# KiCad board for_real_486_2.kicad_pcb (continued)
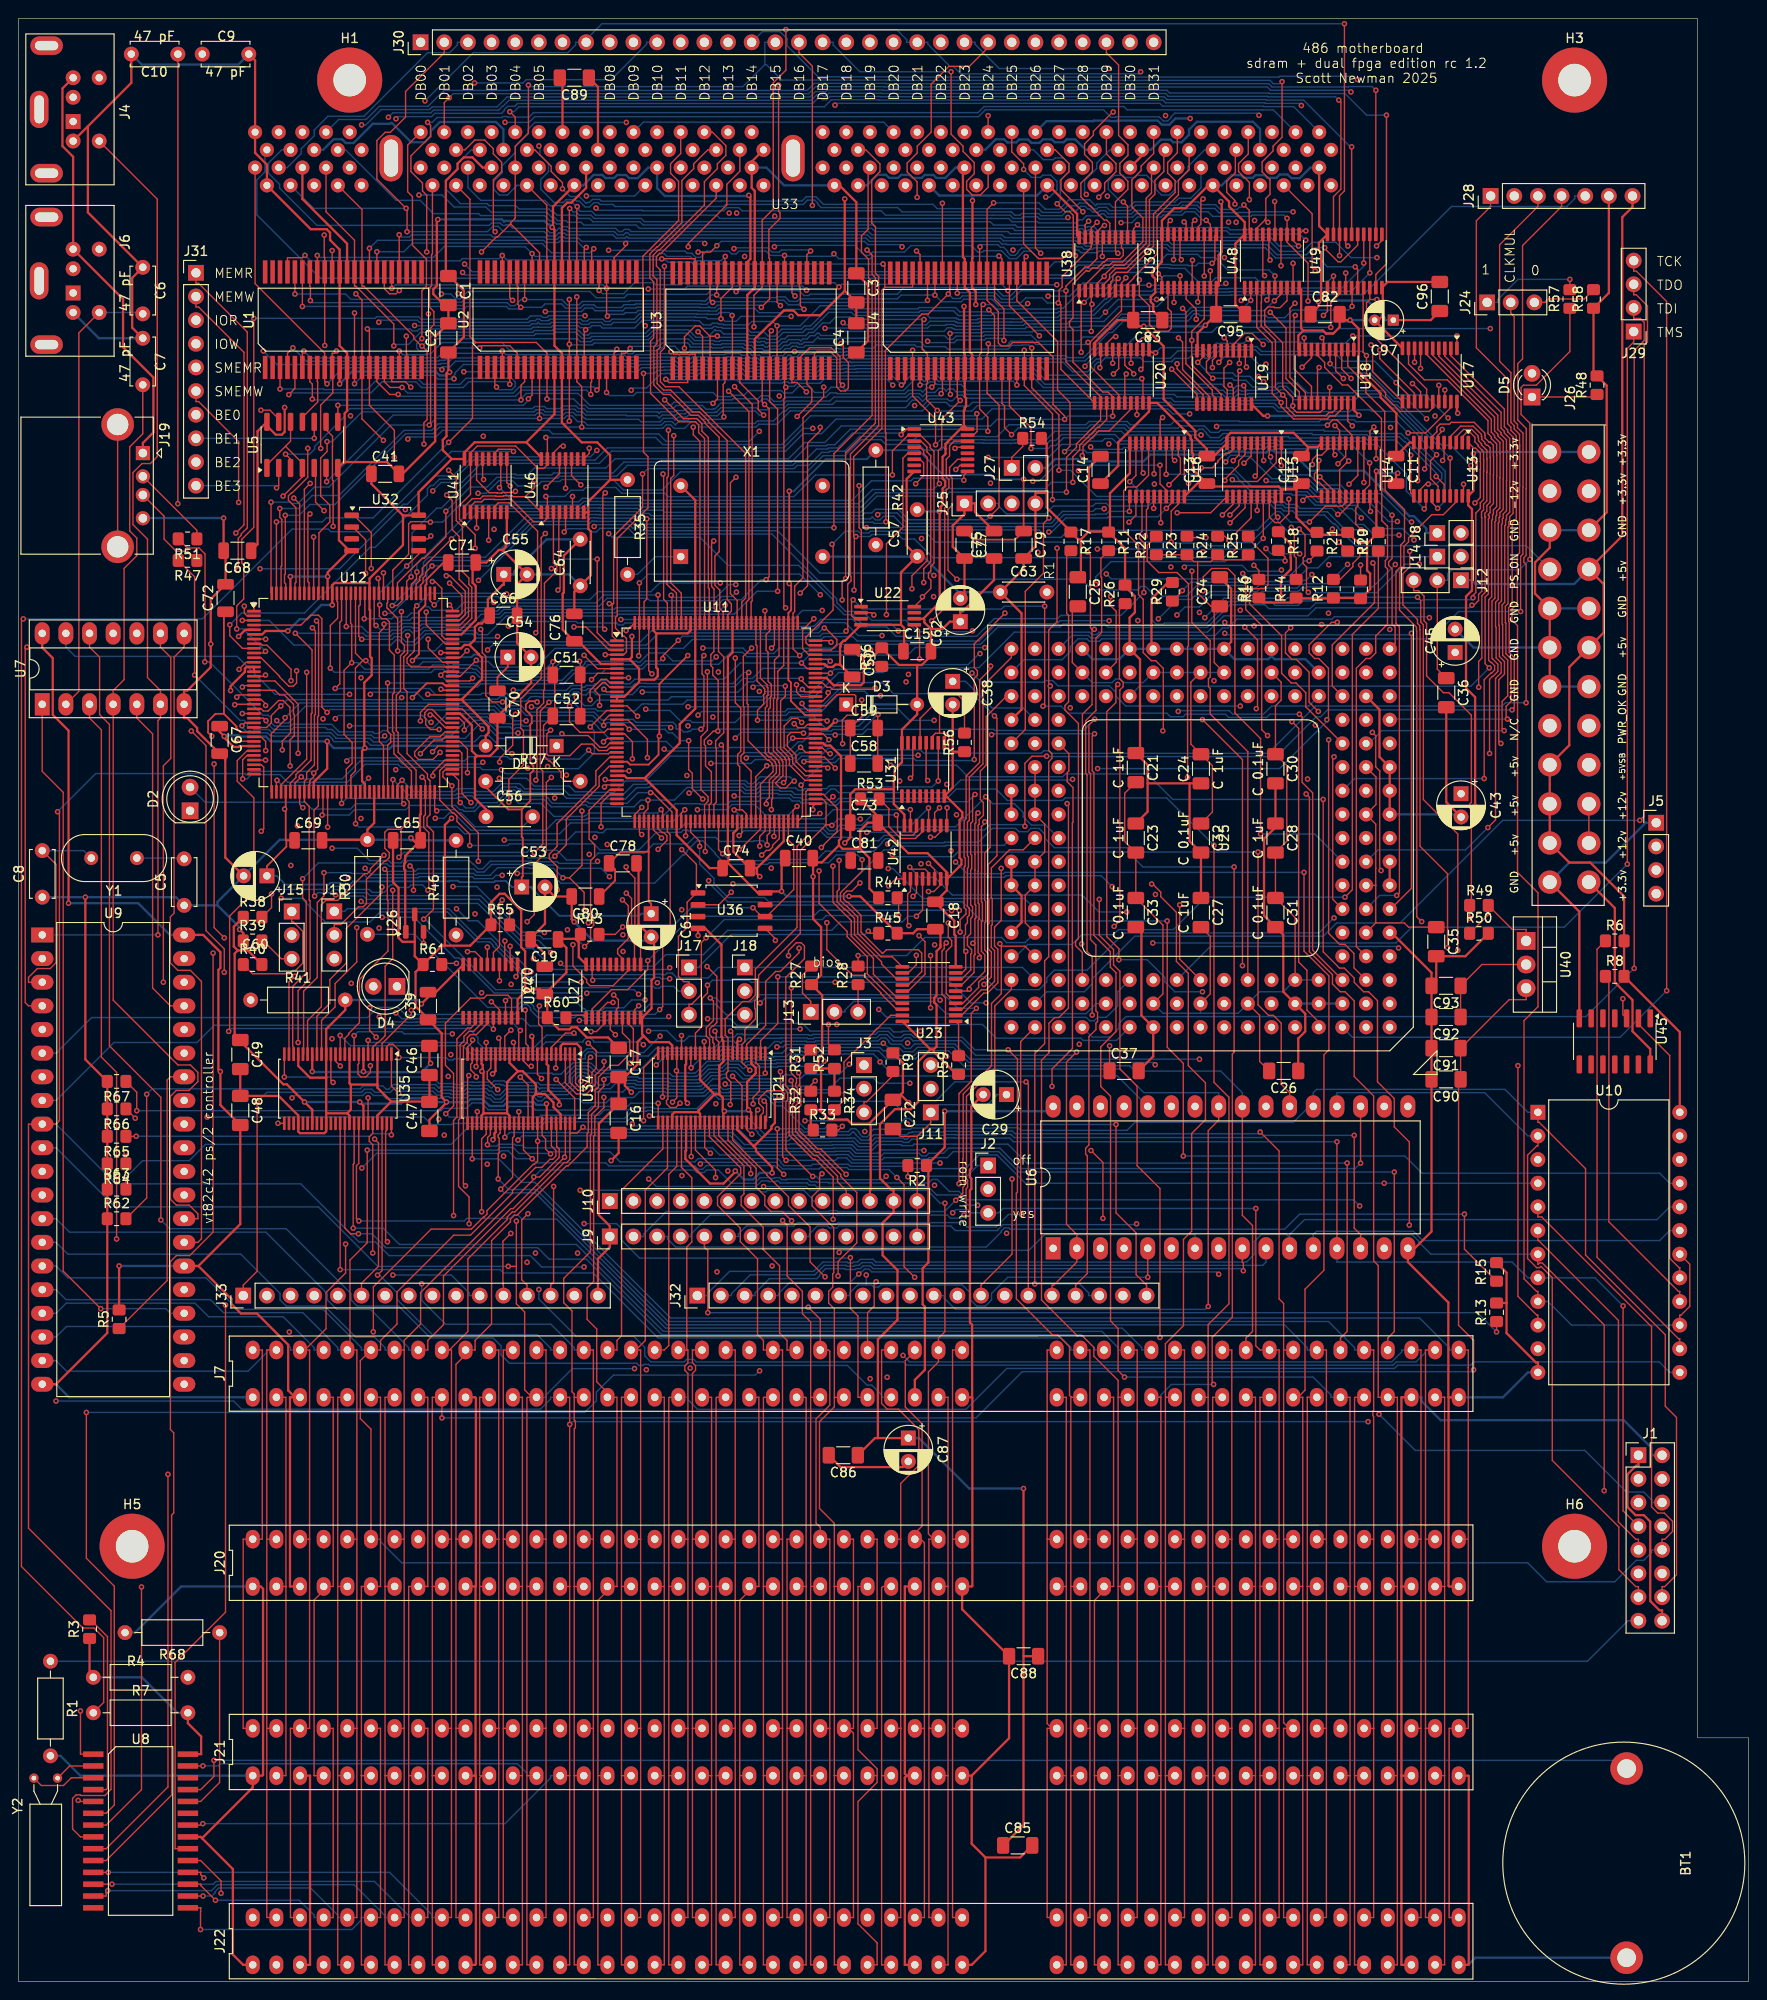
[diagram p0: board, top side]
## Routing (per net, layer and track width the routed paths; a pad name or vN(x,y) marks a point on that pad's centre or on a via; arc(x,y) is an arc through that point) (continued)
AB07: length 327.9
  Top w0.15: v1(87.49,81.84) 87.49,86.39 85.53,88.35 85.31,88.35 82.77,90.89 82.77,94.37 82.96,94.56 82.96,95.62 82.4,96.19 82.4,97.46 82.41,97.47 82.41,107.85 84.41,109.84 84.41,111.21 84.06,111.56 83.53,111.56 82.7,110.72 v1(82.7,110.17) ; v1(73.95,109) 75,107.96 75,102.99 74.64,102.63 74.55,102.63 74.22,102.3 74.22,101.68 74.57,101.33 74.57,100.85 74.7,100.73 U21.12 ; U1.17 39.28,171.83 39.9,171.21 v1(41.18,171.21) ; v1(83.96,149.11) 84.74,149.9 84.74,165.21 86.11,166.57 v1(86.11,166.92) ; v1(108.74,164.65) 108.74,166.88 106.42,169.2 U4.17 ; v1(84.11,135.22) 83.67,135.66 83.05,135.66 82.22,134.84 82.22,132.51 83.05,131.69 83.05,131.55 83.15,131.44 83.15,130.85 84.49,129.5 U11.79 ; U2.17 62.36,171.17 v1(62.11,170.93) ; U3.17 83.07,171.73 83.62,171.73 v1(84.62,170.73) ; v1(149.53,163.94) 149.53,159.89 U13.11 ; 121.29,78.74 v1(121.29,75.63)
  In1.Cu w0.15: v1(79.56,138.56) 80.78,138.56 v1(84.11,135.22) ; v1(73.95,109) 74.99,110.05 76.56,110.05 76.9,110.39 82.48,110.39 v1(82.7,110.17) ; v1(62.11,170.93) 62.11,170.8 62.84,170.07 68.28,170.07 69.01,170.8 74.95,170.8 75.33,170.42 75.33,170.42 75.87,169.87 76.87,169.87 78.79,171.8 83.55,171.8 v1(84.62,170.73) 86.11,169.24 v1(86.11,166.92) 102.83,166.92 105.1,164.65 v1(108.74,164.65)
  In2.Cu w0.15: v1(91.05,75.88) 90.53,75.36 90.03,75.36 87.49,77.89 v1(87.49,81.84) ; v1(79.56,138.56) 80.04,138.09 80.04,131.71 80.93,130.81 80.93,130.14 79.38,128.58 79.38,125.47 80.85,124 80.98,124 81.96,123.02 81.96,121.9 82.7,121.16 v1(82.7,110.17) ; v1(84.11,135.22) 81.83,137.5 81.83,138.82 81.78,138.88 81.78,139.36 81.99,139.57 81.99,141.41 82.15,141.58 82.15,145.96 81.8,146.31 81.8,147.78 82.34,148.32 83.16,148.32 v1(83.96,149.11)
  Bottom w0.15: 91.05,74.81 v1(91.05,75.88) ; 91.05,74.81 90.13,74.81 89.26,73.94 89.26,73.66 J32.7 ; 91.05,74.81 91.64,74.81 91.87,74.57 92.35,74.57 92.59,74.81 101.36,74.81 102.25,73.92 102.25,73.19 102.91,72.53 103.84,72.53 104.5,73.19 104.5,73.89 106.24,75.63 v1(121.29,75.63) ; v1(149.53,163.94) 147.91,165.55 144.91,165.55 144.69,165.78 136.5,165.78 136.38,165.9 133.65,165.9 133.57,165.82 129.43,165.82 129.08,165.47 118.44,165.47 117.76,166.14 115.75,166.14 115.4,165.79 112.23,165.79 111.4,164.97 110.91,164.97 110.59,164.65 v1(108.74,164.65) ; v1(41.18,171.21) 41.78,170.61 53.12,170.61 53.78,171.26 61.78,171.26 v1(62.11,170.93)
AB08: length 319.2
  Top w0.15: v1(88.5,171.45) 88.23,171.73 88.23,174.53 87.27,175.48 84.98,175.48 83.87,174.37 U3.18 ; v1(107.23,171.47) 107.23,173.22 ; U11.80 84.54,130 83.5,131.04 83.5,131.73 82.58,132.65 82.58,133.3 82.58,133.78 82.95,134.15 84.23,134.15 v1(84.31,134.07) ; v1(102.87,104.52) 102.32,103.97 102.32,96.67 101.01,95.36 v1(101.01,85.67) ; v1(74.29,105.63) 74.63,105.29 74.63,103.21 73.86,102.44 73.86,101.54 73.88,101.52 74.22,101.18 74.22,99.72 U21.13 ; v1(145.11,163.11) 145.11,160.73 144.5,160.12 U14.18 ; U2.18 63.16,170.66 v1(63.15,170.66) ; v1(42.12,171.23) 41.52,171.83 40.08,171.83 U1.18
  In1.Cu w0.15: J32.8 91.8,73.66 91.8,73.94 95.65,77.79 96.46,77.79 100.91,82.24 100.91,82.74 102.11,83.94 ; 102.11,83.94 115.26,83.94 123.83,92.5 123.83,93.98 ; 102.11,83.94 102.11,84.57 v1(101.01,85.67) ; v1(115.14,164.82) 113.87,164.82 v1(107.23,171.47) ; v1(42.12,171.23) 42.68,170.67 59.93,170.67 60.76,171.51 62.43,171.51 63.15,170.78 v1(63.15,170.66)
  In2.Cu w0.15: v1(88.5,171.45) 88.5,154.66 87.61,153.77 87.15,153.77 86.81,154.11 85.91,154.11 85.28,153.48 85.28,148.41 84.84,147.97 84.84,134.6 v1(84.31,134.07) ; v1(76.98,133.54) 76.98,131.46 77.97,130.47 77.97,121.13 75.05,118.21 75.05,117.85 74.92,117.73 74.92,106.26 v1(74.29,105.63)
  Bottom w0.15: 88.5,171.23 87.28,171.23 86.71,170.66 85.5,170.66 84.86,171.31 83.78,171.31 83.08,170.61 82.19,170.61 81.94,170.87 78.42,170.87 77.92,170.37 76.64,170.37 76.5,170.22 75.04,170.22 74.6,170.66 66.37,170.66 66.04,170.33 63.48,170.33 v1(63.15,170.66) ; 88.5,171.23 v1(88.5,171.45) ; 88.5,171.23 88.86,170.88 95.05,170.88 96.22,172.05 97.06,172.05 97.24,171.88 97.42,171.88 97.71,172.17 98.48,172.17 98.78,171.88 106.82,171.88 v1(107.23,171.47) ; v1(145.11,163.11) 143.19,165.03 135.25,165.03 135.09,165.2 133.95,165.2 133.78,165.03 133.42,165.03 133.33,165.12 129.75,165.12 129.39,164.75 118.74,164.75 118.54,164.56 115.41,164.56 v1(115.14,164.82) ; v1(74.29,105.63) 74.88,105.63 75.31,105.2 78.75,105.2 79.52,105.98 99.43,105.98 100.89,104.52 v1(102.87,104.52) ; v1(84.31,134.07) 84.23,134.15 77.59,134.15 v1(76.98,133.54)
AB09: length 337.7
  Top w0.15: U1.19 v1(40.88,175.11) ; v1(101.13,112.71) 101.13,114.03 101.76,114.66 101.76,115.13 101.56,115.33 101.56,119.69 101.67,119.8 101.67,120.65 101.56,120.76 101.56,124.67 101.77,124.88 101.77,129.46 103.23,130.92 103.23,139.78 104.4,140.96 v1(104.4,141.28) ; v1(111.05,159.15) 111.05,168.38 108.02,171.41 U4.19 v1(108.02,175.2) ; U14.17 143.85,158.48 143.63,158.26 143.63,156.51 v1(144.22,155.92) ; v1(73.64,100.94) 73.64,99.75 U21.14 ; v1(86.91,130.33) 86.73,130.5 U11.81 ; v1(83.63,168.09) 85.2,169.66 85.2,171.05 84.67,171.58 U3.19 ; v1(64.26,175.31) 64.26,175.19 63.95,174.88 U2.19
  In1.Cu w0.15: v1(111.05,159.15) 111.05,158.64 109.48,157.06 v1(109.48,153.5) ; J32.9 94.34,73.66 94.34,74.55 100.73,80.93 114.63,80.93 126.2,92.5 126.36,92.5 U6.26 126.36,95.46 125.09,95.46 v1(122.08,98.46) ; v1(73.64,100.94) 73.64,101.73 74.56,102.64 79.18,102.64 v1(81.45,100.37) ; v1(104.4,141.28) 104.24,141.11 98.92,141.11 91.64,133.83 88.59,133.83 88,133.24 87.75,133.24 86.6,132.1 86.6,130.63 v1(86.91,130.33)
  In2.Cu w0.15: v1(101.13,112.71) 101.13,111.84 99.24,109.95 99.24,109.43 93.06,103.25 93.06,100.94 v1(92.89,100.76) ; v1(83.63,168.09) 83.63,174.78 v1(83.34,175.06) ; v1(109.48,153.5) 108.66,152.68 108.66,146.73 104.4,142.47 v1(104.4,141.28)
  Bottom w0.15: v1(108.02,175.2) 107.8,174.97 99.66,174.97 99.65,174.98 97.51,174.98 96.92,175.57 96.46,175.57 96.26,175.77 92.14,175.77 91.77,175.41 88.65,175.41 88.58,175.34 88.1,175.34 88.04,175.41 87.85,175.41 87.73,175.29 84.91,175.29 84.78,175.16 83.43,175.16 v1(83.34,175.06) 83.3,175.02 82.52,175.02 82.11,174.61 81,174.61 80.88,174.49 79.76,174.49 79.58,174.67 78.77,174.67 78.42,175.02 77.78,175.02 77.61,175.19 75.81,175.19 75.72,175.09 74.37,175.09 74.28,175.19 72.11,175.19 72.1,175.17 71.76,174.84 71.28,174.84 70.94,175.17 70.49,175.63 69.29,175.63 68.93,175.27 68.59,175.27 68.47,175.15 66.26,175.15 65.93,174.82 65.45,174.82 65.19,175.08 64.4,175.08 64.26,175.22 ; 64.26,175.22 v1(64.26,175.31) ; 64.26,175.22 52.73,175.22 51.93,176.02 45.45,176.02 44.23,174.8 43.8,174.8 43.72,174.72 41.27,174.72 v1(40.88,175.11) ; v1(122.08,98.46) 121.84,98.7 102.05,98.7 100.42,100.33 96.54,100.33 96.07,99.86 95,99.86 94.55,100.31 93.38,100.31 93.02,100.66 92.89,100.66 ; 92.89,100.66 v1(92.89,100.76) ; 92.89,100.66 85.76,100.66 85.64,100.55 84.51,100.55 84.43,100.63 82.38,100.63 82.12,100.37 v1(81.45,100.37) ; v1(111.05,159.15) 131.74,159.15 131.79,159.09 134.5,159.09 135.02,158.57 135.77,158.57 136.05,158.29 137.01,158.29 137.45,157.85 140.57,157.85 142.51,155.92 v1(144.22,155.92)
AB10: length 335
  Top w0.15: v1(88.34,175.92) 88.58,175.69 88.58,174.43 89.13,173.88 89.13,171.15 88.8,170.83 88.29,170.83 87.87,171.25 87.87,174.38 87.17,175.08 85.77,175.08 85.47,174.78 U3.20 ; v1(111.74,162.3) 111.74,168.25 108.83,171.17 U4.20 108.83,175.44 v1(108.83,175.44) ; v1(84.35,131.01) 85.59,131.01 U11.82 ; v1(73.99,107) 73.99,106.16 73.43,105.6 73.43,102.58 72.7,101.85 U21.16 ; v1(65.69,175.4) 65.17,174.88 64.75,174.88 U2.20 ; v1(141.7,157.57) 141.9,157.57 143.2,158.86 U14.16 ; U1.20 41.68,174.88 41.64,174.92 v1(41.64,176.71)
  In1.Cu w0.15: v1(41.64,176.71) 41.98,177.05 60.45,177.05 60.67,176.83 64.25,176.83 v1(65.69,175.4) ; v1(111.74,162.3) 109.97,160.53 104.78,160.53 v1(104.39,160.92) ; J32.10 96.88,73.66 96.88,73.86 103.38,80.36 v1(106.12,80.36) 121.67,80.36 133.82,92.5 133.99,92.5 133.99,93.98
  In2.Cu w0.15: v1(104.39,160.92) 102.75,159.28 102.75,156.59 96.53,150.38 96.53,149.34 96.48,149.29 96.48,144.52 97.55,143.46 97.55,135.97 96.62,135.04 v1(96.62,131.7) 96.37,131.44 96.37,121.42 94.98,120.03 94.98,117.38 90.31,112.72 90.31,111.55 89.31,110.55 89.31,109.01 87.7,107.4 v1(87.7,107.32) ; v1(106.12,80.36) 106.12,88.6 104.98,89.74 104.98,104.05 v1(103.92,105.1)
  Bottom w0.15: v1(73.99,107) 74.52,107.53 78.44,107.53 78.65,107.32 v1(87.7,107.32) 100.08,107.32 102.29,105.1 v1(103.92,105.1) ; v1(96.62,131.7) 87.84,131.7 87.39,131.26 84.59,131.26 v1(84.35,131.01) ; v1(108.83,175.44) 108.49,175.77 107.79,175.77 107.74,175.73 106.69,175.73 106.29,175.32 99.8,175.32 99.54,175.59 97.4,175.59 96.86,176.13 88.55,176.13 v1(88.34,175.92) 87.87,175.92 87.65,175.71 84.52,175.71 84.32,175.51 83.71,175.51 83.58,175.64 83.1,175.64 82.84,175.37 82.37,175.37 81.96,174.96 80.85,174.96 80.73,174.84 79.91,174.84 79.72,175.02 78.92,175.02 78.57,175.38 77.92,175.38 77.76,175.54 75.67,175.54 75.58,175.45 74.52,175.45 74.42,175.54 72.18,175.54 72.1,175.63 72.1,175.75 71.86,175.99 69.15,175.99 68.88,175.71 68.7,175.71 68.61,175.62 65.91,175.62 v1(65.69,175.4) ; v1(111.74,162.3) 112.99,162.3 115.8,159.5 131.88,159.5 131.94,159.44 134.74,159.44 135.26,158.92 135.91,158.92 136.2,158.64 137.23,158.64 137.66,158.21 141.06,158.21 v1(141.7,157.57)
AB11: length 388.3
  Top w0.15: v1(87.71,130.31) 87.71,130.34 86.55,131.5 U11.83 ; v1(65.2,186.67) 65.2,186.38 63.95,185.14 63.95,183.62 ; U3.26 84.67,185.47 v1(85.07,185.86) ; U21.17 72.2,98.16 v1(72.24,98.12) ; v1(91.13,185.96) 91.68,185.42 91.68,183.34 92.03,182.99 92.03,167.38 88.83,164.19 v1(88.83,150.67) 88.46,150.29 v1(88.46,148.37) ; 40.88,183.62 v1(40.88,187.61) ; v1(127.78,72.49) 127.78,91.38 128.9,92.5 U6.25 ; v1(108.22,185.25) 108.02,185.06 U4.26 ; U14.15 142.55,158.84 142.17,158.46 140.36,158.46 v1(138.66,156.75)
  In1.Cu w0.15: v1(73.69,186.67) 74.32,187.3 75.46,187.3 76.64,186.12 v1(76.84,186.12) ; 91.13,186.14 v1(91.13,185.96) ; 91.13,186.14 85.34,186.14 v1(85.07,185.86) ; 91.13,186.14 91.13,186.32 91.76,186.95 101.82,186.95 103.03,185.74 103.51,185.74 103.86,186.09 105.87,186.09 106.7,185.25 v1(108.22,185.25) ; v1(75.16,140.64) 77.18,140.64 78.47,141.93 79.27,141.93 80.3,142.96 80.3,143.45 80.67,143.82 81.58,143.82 85.93,148.18 86.34,148.18 v1(88.83,150.67)
  In2.Cu w0.15: v1(72.24,98.12) 72.24,100.36 73.34,101.46 73.34,105.54 74.57,106.76 74.57,117.87 74.69,118 74.69,119.13 74.92,119.36 74.92,121.61 77.44,124.13 77.44,130.42 76.06,131.8 76.06,139.75 v1(75.16,140.64) ; v1(87.71,130.31) 87.71,130.34 85.97,132.08 85.97,145.89 v1(88.46,148.37) 88.46,152.9 90.18,154.62 90.18,154.62 90.52,154.95 90.52,155.59 v1(91.08,156.15)
  Bottom w0.15: v1(76.84,186.12) 76.92,186.2 80.48,186.2 80.94,185.74 81.69,185.74 81.93,185.98 84.96,185.98 v1(85.07,185.86) ; v1(91.08,156.15) 91.1,156.18 94.7,156.18 94.97,155.91 109.62,155.91 110.42,155.1 111.99,155.1 112.75,155.86 133.03,155.86 135.04,157.87 135.48,157.87 136.6,156.75 v1(138.66,156.75) ; v1(40.88,187.61) 41.13,187.36 41.96,187.36 42.19,187.59 50.72,187.59 50.94,187.36 56.54,187.36 56.78,187.12 57.84,187.12 58.08,187.36 58.56,187.36 58.68,187.24 60.13,187.24 60.13,187.24 60.48,186.89 65.28,186.89 65.32,186.93 65.34,186.91 65.34,186.89 ; v1(72.24,98.12) 73.29,99.17 75.13,99.17 75.68,99.72 76.59,99.72 76.76,99.56 77.78,99.56 77.85,99.48 77.87,99.5 79.22,99.5 79.43,99.29 81.1,99.29 81.16,99.34 82.47,99.34 83.06,99.93 84.14,99.93 84.22,99.85 85.93,99.85 86.05,99.96 92.36,99.96 93.23,99.08 96.33,99.08 96.85,99.61 98.61,99.61 100.22,98 118.33,98 120.87,95.46 128.9,95.46 U6.25 ; v1(65.2,186.67) 65.34,186.81 65.34,186.89 ; J32.11 99.42,73.66 99.42,73.38 100.62,72.18 127.47,72.18 v1(127.78,72.49) ; 65.34,186.89 73.47,186.89 v1(73.69,186.67)
AB12: length 317.9
  Top w0.15: U21.19 v1(71.2,101.59) ; v1(84,132.55) 84.54,132 U11.84 ; U3.27 83.87,181.99 83.97,181.89 83.97,179.98 v1(84.36,179.59) ; v1(142.87,163.31) 142.67,163.1 142.63,163.1 141.9,162.37 U14.14 ; 63.16,183.62 63.16,181.85 v1(63.16,181.85) 63.16,178.95 v1(63.25,178.86) ; 40.08,183.62 v1(40.08,181.85) ; v1(112.35,164.31) 112.93,164.89 112.93,169.59 111.6,170.92 111.6,176.14 107.23,180.51 107.23,183.48
  In1.Cu w0.15: U6.4 118.74,77.26 105.29,77.26 101.96,73.94 101.96,73.66 J32.12 ; v1(71.2,101.59) 72.2,101.59 v1(74.01,103.4) ; v1(84.36,179.59) 89.44,179.59 95.16,173.86 102.8,173.86 v1(112.35,164.31)
  In2.Cu w0.15: v1(96.87,102.07) 96.67,101.86 96.67,89 96.84,88.83 96.84,86.23 98.07,85.01 98.07,77.56 100.84,74.79 J32.12 ; v1(74.01,103.4) 75.27,104.67 75.27,117.58 75.4,117.7 75.4,117.88 78.34,120.81 78.34,131.22 v1(78.16,131.4) 77.81,131.75 77.81,147.23 81.23,150.66 81.23,165.95 83.05,167.77 83.05,172.28 82.76,172.57 82.76,175.67 84.36,177.28 v1(84.36,179.59)
  Bottom w0.15: v1(40.08,181.85) 40.45,182.22 62.79,182.22 v1(63.16,181.85) ; v1(84,132.55) 83.98,132.55 83.02,131.59 78.35,131.59 v1(78.16,131.4) ; v1(96.87,102.07) 94.96,102.07 94.87,101.98 93.98,101.98 93.56,102.39 92.21,102.39 91.89,102.07 85.02,102.07 84.19,102.9 79.62,102.9 79.39,102.67 77.17,102.67 76.44,103.4 v1(74.01,103.4) ; v1(112.35,164.31) 112.5,164.46 114.49,164.46 114.75,164.2 118.76,164.2 118.96,164.4 129.53,164.4 129.9,164.76 131.75,164.76 131.9,164.62 133.86,164.62 134.09,164.84 134.94,164.84 135.17,164.62 141.56,164.62 v1(142.87,163.31) ; v1(63.25,178.86) 63.45,179.06 65,179.06 65.17,179.24 66.32,179.24 66.56,179.47 73,179.47 73.03,179.43 74.14,179.43 74.17,179.41 74.93,179.41 75.22,179.69 79.08,179.69 79.54,179.23 82.02,179.23 82.37,179.59 v1(84.36,179.59)
AB13: length 336.6
  Top w0.15: v1(62.36,181.62) 62.36,183.62 ; v1(139.77,161.6) 141.25,160.12 U14.13 ; U11.85 86.33,132.5 86.97,131.86 v1(87.18,131.86) ; v1(106.71,86.19) 106.71,78.11 103.38,74.79 J32.13 ; v1(109.65,176.75) 106.42,179.97 106.42,181.61 ; 106.42,181.61 U4.28 ; 106.42,181.61 v1(106.26,181.61) ; v1(83.39,181.03) 83.07,181.35 U3.28 ; v1(70.24,94.44) 70.7,94.9 U21.20 ; v1(40.89,181.61) 40.55,181.27 39.83,181.27 39.28,181.82 39.28,183.62
  In1.Cu w0.15: v1(109.65,176.75) 113.29,176.75 114.57,175.47 114.82,175.47 117.06,173.23 117.84,173.23 118.17,172.89 118.17,171.85 126.87,163.16 127.28,163.16 127.5,162.93 129.11,162.93 129.42,162.63 130.59,162.63 131.05,163.08 131.05,163.31 131.38,163.64 132.37,163.64 134.41,161.6 v1(139.77,161.6) ; 121.29,93.98 121.29,92.5 114.97,86.19 v1(106.71,86.19) ; v1(83.39,181.03) 83.39,181.27 84.35,182.23 87.88,182.23 v1(88.11,182) ; v1(87.18,131.86) 89.24,131.86 94.15,126.95 95.89,126.95 97.53,125.31 v1(100.74,125.31)
  In2.Cu w0.15: v1(92.53,98.76) 92.71,98.93 92.71,100.12 92.31,100.52 92.31,101 92.67,101.36 92.67,103.35 97.37,108.05 97.37,111.62 98.13,112.39 98.13,115.33 99.01,116.21 99.01,120.77 98.66,121.12 98.66,121.8 98.83,121.98 98.84,121.98 99.01,122.15 99.01,122.3 98.87,122.45 98.87,122.51 100.47,124.12 100.6,124.12 100.74,124.26 v1(100.74,125.31) ; v1(70.66,97.81) 70.66,94.86 v1(70.24,94.44) ; v1(87.18,131.86) 88.33,130.71 88.33,130.04 88.02,129.73 86.68,129.73 85.89,130.52 85.89,131.65 81.48,136.06 81.48,138.68 81.43,138.73 81.43,139.5 81.48,139.56 81.48,141.4 81.8,141.72 81.8,145.81 81.45,146.16 81.45,147.92 82.74,149.21 83.2,149.21 84.73,150.74 84.73,167.05 85.86,168.18 85.86,174.5 86.96,175.6 86.96,175.85 87.57,176.46 87.57,181.46 v1(88.11,182)
  Bottom w0.15: 121.29,93.98 118.02,97.25 94.04,97.25 v1(92.53,98.76) 92.53,98.89 91.82,99.61 86.19,99.61 86.08,99.49 84.08,99.49 83.99,99.58 83.31,99.58 82.72,98.99 81.3,98.99 81.25,98.93 79.29,98.93 79.07,99.15 78.01,99.15 77.85,98.99 77.63,99.2 76.61,99.2 76.45,99.37 75.82,99.37 75.28,98.82 73.96,98.82 72.7,97.57 72.5,97.57 72.48,97.55 72,97.55 71.98,97.57 70.9,97.57 v1(70.66,97.81) ; v1(106.26,181.61) 105.59,182.28 88.4,182.28 v1(88.11,182) 87.66,182.45 71.71,182.45 71.67,182.41 71.35,182.41 71.17,182.23 68.44,182.23 68.22,182.45 66.15,182.45 64.97,181.27 62.71,181.27 v1(62.36,181.62) 62.11,181.87 41.15,181.87 v1(40.89,181.61)
AB14: length 328.5
  Top w0.15: v1(71.04,94.32) 70.59,93.86 70,93.86 69.59,94.28 69.59,94.61 69.74,94.75 69.74,99.66 U21.22 ; v1(83.16,133.54) 83.2,133.49 85.58,133.49 U11.87 ; v1(105.3,185.32) 105.32,185.32 105.62,185.01 U4.29 ; v1(82.27,185.38) 82.27,185.38 U3.29 ; v1(61.78,186.11) 61.55,185.88 61.55,183.62 ; v1(139.68,163.36) 139.68,162.42 139.19,161.93 139.19,161.28 139.44,161.02 139.7,161.02 140.6,160.12 U14.12 ; 38.48,183.62 v1(38.48,185.78)
  In1.Cu w0.15: v1(139.68,163.36) 136.83,166.2 128.61,166.2 126.61,168.21 126.61,168.41 120.28,174.74 118.92,174.74 113.6,180.06 112.71,180.06 108.09,184.68 105.94,184.68 v1(105.3,185.32) ; v1(61.78,186.11) 61.94,185.94 v1(63.37,185.94)
  In2.Cu w0.15: 105.92,79.18 105.91,79.18 103.01,82.08 v1(103.01,83.37) ; 105.92,79.18 J32.14 ; 105.92,79.18 105.95,79.18 118.74,91.98 U6.29 ; v1(83.16,133.54) 81.13,135.56 81.13,138.53 81.07,138.59 81.07,139.65 81.13,139.71 81.13,141.55 81.45,141.87 81.45,145.49 81.1,145.84 81.1,148.07 82.59,149.56 83.05,149.56 84.38,150.89 84.38,167.2 84.55,167.37 84.55,167.99 85.2,168.64 85.2,174.58 87.22,176.61 87.22,185.21 v1(87.57,185.56) ; v1(71.04,94.32) 70.06,93.34 68.33,93.34 ; 68.33,93.34 68.33,92.73 68.19,92.59 68.19,86.69 v1(67.68,86.18) ; 68.33,93.34 68.09,93.58 68.09,96.76 69.07,97.74 69.07,100.47 68.24,101.31 68.24,106.82 68.03,107.03 68.03,107.69 68.65,108.31 68.65,108.35 68.65,110.48 69.02,110.85 69.02,119.82 66.35,122.49 66.35,123.37 66.16,123.57 66.16,124.7 65.97,124.89 65.97,126.44 66.32,126.79 66.32,127.61 66.39,127.69 66.39,128.21 69.34,131.16 v1(69.34,132.35)
  Bottom w0.15: v1(105.3,185.32) 105.27,185.29 91.76,185.29 91.51,185.04 88.09,185.04 v1(87.57,185.56) 87.3,185.29 82.37,185.29 v1(82.27,185.38) 80.75,185.38 80.28,185.85 77.39,185.85 77.08,185.54 76.6,185.54 76.29,185.85 73.91,185.85 73.56,185.5 73.23,185.17 72.75,185.17 72.36,185.56 72.36,185.58 72.31,185.63 71.8,185.63 71.58,185.85 69.56,185.85 69.47,185.94 v1(63.37,185.94) ; v1(38.48,185.78) 41.38,185.78 42.31,186.71 50.59,186.71 50.65,186.66 56.25,186.66 57.24,185.67 61.34,185.67 v1(61.78,186.11) ; v1(67.68,86.18) 68.48,85.38 79.21,85.38 79.81,85.98 80.49,85.98 80.56,85.91 81.33,85.91 81.39,85.98 81.58,85.98 81.8,85.76 82.61,85.76 82.61,85.76 84.68,85.76 84.91,85.53 85.53,85.53 85.74,85.32 97.75,85.32 98.59,84.48 100.89,84.48 101.23,84.14 101.23,84.14 102,83.37 v1(103.01,83.37) ; v1(69.34,132.35) 69.47,132.35 69.67,132.15 76.01,132.15 76.39,132.53 82.15,132.53 v1(83.16,133.54)
AB15: length 319.4
  Top w0.15: J32.15 108.46,96.37 v1(108.21,96.62) ; 60.75,183.62 60.75,186.03 v1(60.98,186.25) ; v1(105.84,176.25) 105.84,179.65 104.83,180.66 U4.30 ; v1(87.04,133.37) 86.4,134 U11.88 ; 37.68,183.62 v1(37.68,186.15) ; v1(81.83,180) 81.47,180.36 U3.30 ; U21.23 69.2,95.03 v1(69.16,94.99) ; U14.11 138.37,159.49 v1(137.94,159.07)
  In1.Cu w0.15: v1(105.84,176.25) 116.53,165.56 116.53,164.9 116.87,164.56 117.43,164.56 122.49,159.5 124.74,159.5 125.44,158.79 131.04,158.79 131.27,158.57 135.77,158.57 136.05,158.29 137.16,158.29 v1(137.94,159.07) ; v1(81.83,180) 82,180.17 84.63,180.17 ; v1(67.63,181.78) 65.17,181.78 60.98,185.97 v1(60.98,186.25) ; 84.63,180.17 93.63,180.17 v1(97.64,176.17) ; 84.63,180.17 v1(84.63,181.65)
  In2.Cu w0.15: v1(74.36,130.82) 72.9,129.37 72.9,126.76 73.49,126.17 73.49,124.13 72.22,122.86 72.22,111.71 70.86,110.35 70.86,106.02 70.51,105.67 70.51,98.58 69.16,97.23 v1(69.16,94.99) ; v1(97.64,176.17) 97.64,174.19 95.8,172.35 95.8,170.93 93.26,168.4 93.26,157.7 91.65,156.09 91.65,155.59 90.32,154.26 90.32,148.26 90.11,148.05 90.11,147.22 89.47,146.57 89.47,140.3 89.95,139.82 89.95,136.3 88.34,134.69 88.34,133.58 88,133.24 87.16,133.24 v1(87.04,133.37) ; J32.15 109.58,73.66 109.58,73.94 112.91,77.26 116.2,77.26 U6.3
  Bottom w0.15: v1(69.16,94.99) 69.25,95.09 73.5,95.09 73.52,95.11 73.72,95.11 74.49,95.87 75.09,95.87 75.51,95.46 76.28,95.46 76.35,95.52 77.95,95.52 77.96,95.53 80.58,95.53 81.11,95 81.11,94.76 81.41,94.46 81.99,94.46 82.06,94.53 93.82,94.53 94.6,93.75 95.79,93.75 96.63,94.59 98.54,94.59 100.56,96.62 v1(108.21,96.62) ; v1(37.68,186.15) 38.54,187.01 42.11,187.01 42.19,187.09 50.71,187.09 50.8,187.01 56.39,187.01 56.63,186.77 57.99,186.77 58.22,187.01 58.42,187.01 58.53,186.89 59.99,186.89 60.63,186.25 v1(60.98,186.25) ; v1(87.04,133.37) 85.63,131.96 83.9,131.96 83.18,131.24 79.09,131.24 78.68,130.82 v1(74.36,130.82) ; v1(84.63,181.65) 84.18,182.1 71.86,182.1 71.54,181.78 v1(67.63,181.78) ; v1(105.84,176.25) 105.61,176.48 103.92,176.48 103.75,176.31 100.78,176.31 100.49,176.02 97.79,176.02 v1(97.64,176.17)
AB16: length 356.6
  Top w0.15: v1(136.44,159.22) 136.44,157.64 135.49,156.68 134.95,156.68 134.34,157.29 U15.18 ; J32.16 111,74.79 111.19,74.79 113.67,77.26 113.67,80.22 112.55,81.33 112.55,98.74 v1(113.64,99.82) ; 115.3,145.22 115.3,137.14 114.26,136.11 114.26,111.52 v1(114.18,111.44) ; 115.3,145.22 115.13,145.39 115.13,153.2 v1(114.79,153.54) ; 115.3,145.22 v1(115.55,145.22) ; 54.36,183.62 v1(54.36,180.65) ; U11.90 84.73,135 84.37,134.65 83.74,134.65 v1(83.31,135.08) ; v1(31.34,180.54) 31.34,182.02 31.28,182.09 31.28,183.62 ; v1(74.98,181.14) 74.98,181.9 75.07,181.99 U3.38 ; U35.2 39.54,100.4 39.81,100.67 40.21,100.67 40.86,100.02 v1(40.86,99.23) ; U4.38 v1(98.42,181.12)
  In1.Cu w0.15: v1(117.1,165.14) 117.46,165.5 118.14,165.5 ; 118.14,165.5 118.14,168.32 117.62,168.84 116.73,168.84 108.39,177.19 v1(108.39,180.21) ; 118.14,165.5 120.82,165.5 123.69,162.63 124.75,162.63 127.88,159.5 136.15,159.5 v1(136.44,159.22) ; v1(83.31,135.08) 83.74,134.65 91.71,134.65 98.52,141.46 103.54,141.46 104.46,142.37 104.46,142.49 106.17,144.21 107.5,144.21 108.51,145.22 v1(115.55,145.22)
  In2.Cu w0.15: v1(114.79,153.54) 114.79,157.36 117.1,159.68 v1(117.1,165.14) ; v1(114.18,111.44) 114.18,111.11 112.04,108.96 111.61,108.96 110.63,107.98 110.63,104.58 111.46,103.76 111.92,103.76 112.93,102.75 112.93,100.53 v1(113.64,99.82)
  Bottom w0.15: v1(31.34,180.54) 31.57,180.3 46.37,180.3 46.66,180.01 47.73,180.01 48.02,180.3 52.49,180.3 52.82,179.98 53.29,179.98 53.96,180.65 v1(54.36,180.65) 58.36,180.65 58.58,180.43 58.58,180.41 58.91,180.08 60.18,180.08 60.55,180.44 65.54,180.44 65.62,180.52 73.43,180.52 73.47,180.49 73.76,180.49 74.42,181.14 v1(74.98,181.14) 75.27,180.85 81.36,180.85 81.44,180.93 82.33,180.93 82.81,180.45 83.63,180.45 83.9,180.72 94.39,180.72 94.78,181.12 97.37,181.12 97.39,181.14 98.41,181.14 v1(98.42,181.12) 99.14,180.4 101.24,180.4 101.52,180.69 104.54,180.69 105.25,179.98 108.15,179.98 v1(108.39,180.21) ; v1(40.86,99.23) 45.93,99.23 46.18,98.97 46.66,98.97 46.78,99.09 60.85,99.09 60.85,99.5 61.19,99.84 61.67,99.84 62.01,99.5 62.01,99.39 67.64,99.39 68.47,100.23 74.69,100.23 75.45,100.98 76.83,100.98 77.2,100.61 77.67,100.61 78.37,101.3 81.83,101.3 81.85,101.28 81.91,101.33 84.72,101.33 84.8,101.25 85.35,101.25 85.46,101.37 92.18,101.37 92.5,101.69 93.27,101.69 93.82,101.15 93.95,101.01 94.9,101.01 95.25,101.36 95.73,101.36 96.05,101.04 96.1,101.04 101.23,101.04 102.8,99.47 113.28,99.47 v1(113.64,99.82)
AB17: length 332.5
  Top w0.15: 30.48,183.62 v1(30.48,179.9) ; U11.91 86.73,135.5 v1(86.84,135.39) ; v1(115.59,135.56) 114.97,134.95 114.97,129.89 115.14,129.72 115.14,111.9 115.71,111.32 115.71,104.25 115.89,104.07 115.89,103.1 115.72,102.93 115.72,102.23 114.97,101.48 114.97,89.84 114.61,89.49 114.61,88.86 114.79,88.68 114.79,76.04 113.54,74.79 J32.17 ; v1(53.94,179.81) 53.63,180.12 53.63,182.01 53.55,182.09 53.55,183.62 ; v1(74.55,180.34) 74.27,180.62 U3.39 ; v1(42.18,104.31) 42.18,103.87 39.04,100.74 U35.3 ; 97.62,183.48 v1(97.62,180.56) ; v1(133.69,154.99) U15.17
  In1.Cu w0.15: v1(112.97,136.8) 114.35,136.8 v1(115.59,135.56)
  In2.Cu w0.15: 114.26,152.91 112.97,151.62 v1(112.97,136.8) ; 114.26,152.91 110.69,156.48 110.49,156.48 110.03,156.93 110.03,157.42 110.39,157.77 110.39,165.28 97.83,177.84 97.83,180.36 v1(97.62,180.56) ; 114.26,152.91 114.98,152.91 115.87,153.81 v1(115.87,153.85) ; v1(86.84,135.39) 86.84,134.74 v1(87.71,133.87) ; v1(51.64,129.23) 51.38,128.97 51.38,124.69 49.53,122.84 49.53,122.26 45.73,118.46 45.73,117.86 44.08,116.21 44.08,107.48 43.28,106.68 43.28,105.73 43.12,105.57 43.02,105.57 42.69,105.24 42.69,104.82 v1(42.18,104.31)
  Bottom w0.15: 87.71,133.94 85.02,133.94 84.22,133.14 83.74,133.14 82.57,131.98 77.92,131.98 77.55,131.61 69.97,131.61 67.29,128.93 65.16,128.93 63.95,127.71 61.59,127.71 61.52,127.77 59.75,127.77 59.13,128.39 57.05,128.39 57.05,128.39 55.39,128.39 54.55,129.23 v1(51.64,129.23) ; 87.71,133.94 90.63,133.94 91.17,134.48 104.75,134.48 104.87,134.36 114.38,134.36 v1(115.59,135.56) ; 87.71,133.94 v1(87.71,133.87) ; v1(133.69,154.99) 132.54,153.84 127.76,153.84 127.46,154.14 126.98,154.14 126.69,153.85 v1(115.87,153.85) ; v1(30.48,179.9) 46.27,179.9 46.52,179.66 47.87,179.66 48.12,179.9 52.4,179.9 52.67,179.63 53.76,179.63 v1(53.94,179.81) 56.18,179.81 56.55,180.18 58.31,180.18 58.77,179.72 60.34,179.72 60.69,180.08 61.8,180.08 62.08,179.79 64.74,179.79 65.03,180.09 66.18,180.09 66.26,180.17 73.29,180.17 73.33,180.13 73.91,180.13 74.27,180.49 74.4,180.49 v1(74.55,180.34) 74.63,180.42 81.43,180.42 81.59,180.58 82.19,180.58 82.69,180.08 83.76,180.08 84.01,180.33 97.4,180.33 v1(97.62,180.56)
